# Altium PCB IoT_Greenhouse V1.0 A.PcbDoc (part 2 of 2)
Units mm, origin at the board's own origin, x right, y up, seen from the top; angles counter-clockwise.
Board outline 130 x 80 mm, 2 copper layers (Top Layer, Bottom Layer), stack 1.569 mm thick; 105 components, 59 nets, 365 pads, 73 vias.
Unrouted connection lines stored in the file: 284.
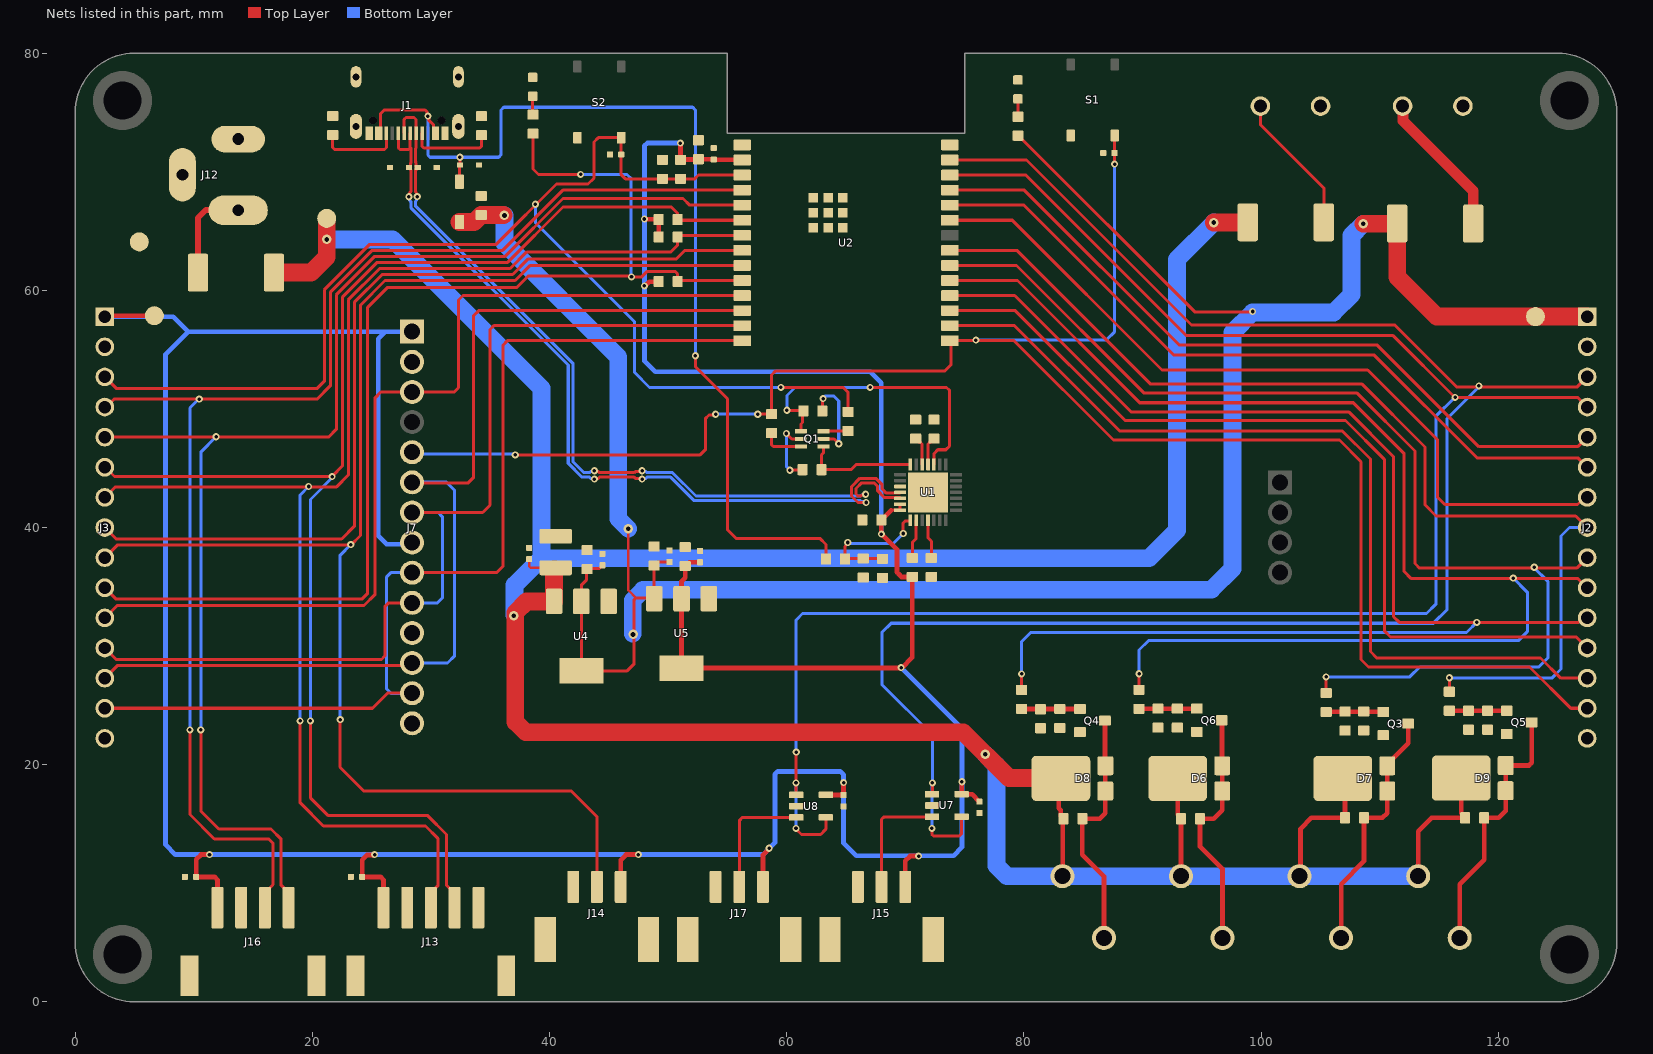
[diagram p2: the nets of this part, all layers, seen from the top]

## Part data (continued)
S1 S2: library part SWITCH_NO_SPST_0.05A, "Switch Tactile N.O. SPST Round Button Gull Wing 0.05A 12VDC 200000Cycles 2.55N SMD T/R", Manufacturer="ITT C&K", Supplier Part Number 1=CKN12221-6-ND, Category=Uncategorized, Manufacturer Part Number=PTS526SK15SMTR2LFS, Pricing 1="1=0.12, 10=0.12, 25=0.114, 100=0.1035, 250=0.09732, 500=0.08904, 1000=0.07454 (USD)", RoHS=No, Stock 1=382158, Supplier 1=Digi-Key
TP1 TP2 TP3 TP4: library part TP_PAD_SMD_Round, "Test Point, SMD pad, round, 1.5mm, 1.6mm, 3mm diameter"
U1: library part IC_BRIDGE_UART_CP2102N-A02-GQFN28R, "Full Speed USB to UART Bridge USB 2.0 3.3V T/R Automotive 28-Pin QFN EP", Case/Package=QFN, Manufacturer="Silicon Labs", Max Operating Temperature=85°C, Min Operating Temperature=-40°C, Operating Supply Current=9.5mA, Supplier Part Number 1=336-5890-1-ND, Category="USB Interface ICs", ComponentLink1Description=https://www.silabs.com/documents/public/data-sheets/cp2102n-datasheet.pdf?src-supplier=Digikey, ComponentLink1URL=https://www.silabs.com/documents/public/data-sheets/cp2102n-datasheet.pdf?src-supplier=Digikey, ComponentLink2Description=https://4donline.ihs.com/images/VipMasterIC/IC/SILC/SILC-S-A0007770867/SILC-S-A0007770867-1.pdf?hkey=6D3A4C79FDBF58556ACFDE234799DDF0&src-supplier=Farnell, ComponentLink2URL=https://4donline.ihs.com/images/VipMasterIC/IC/SILC/SILC-S-A0007770867/SILC-S-A0007770867-1.pdf?hkey=6D3A4C79FDBF58556ACFDE234799DDF0&src-supplier=Farnell, Interface=UART, Manufacturer Part Number=CP2102N-A02-GQFN28R, Packaging="Cut Tape", Pricing 1="1=4.66, 10=4.183, 25=3.954, 100=3.4269, 250=3.2512, 500=2.91728 (USD)", RoHS=Yes, Series=USBXpress™, Stock 1=29620, Supplier 1=Digikey
U2: library part IC_MODULE_ESP32-C6-WROOM-1-N4, "ESP32-C6-WROOM-1-N4 Engineering Module - 4 MB Quad SPI Flash", Manufacturer="Espressif Systems", Supplier Part Number 1=1965-ESP32-C6-WROOM-1-N4CT-ND, Category=LDO, Manufacturer Part Number=ESP32-C6-WROOM-1-N4, Pricing 1="1=2.85 (USD)", RoHS=No, Stock 1=4715, Supplier 1=Digikey
U4: library part IC_REG_LDO_5V_1A_AZ1117IH-5.0TRG1, "LDO Regulator Pos 5V 1A 3-Pin SOT-223 T/R", Case/Package=TO-261-4, Dropout Voltage=1.2V, Manufacturer=Diodes, Max Operating Temperature=125°C, Min Current Limit=1A, Min Operating Temperature=-40°C, Output Current=800mA, Output Voltage=5V, Supplier Part Number 1=AZ1117IH-5.0TRG1DIDKR-ND, Category="Voltage Regulators - Linear", ComponentLink1Description=https://www.diodes.com/assets/Datasheets/AZ1117I.pdf?src-supplier=Digi-Key, ComponentLink1URL=https://www.diodes.com/assets/Datasheets/AZ1117I.pdf?src-supplier=Digi-Key, Manufacturer Part Number=AZ1117IH-5.0TRG1, Mount="Surface Mount", Number of Regulators=1, Packaging="Tape and Reel", Pricing 1="1=0.40000, 10=0.32100, 25=0.29360, 100=0.21840, 250=0.19796, 500=0.16384, 1000=0.12288 (USD)", RoHS=Yes, RoHS Compliant=Yes, Stock 1=138078, Supplier 1=Digi-Key
U5: library part IC_REG_LDO_3.3V_1A_AP2114H-3.3TRG1, "IC REG LDO 3.3V 1A SOT223", Manufacturer=Diodes, Supplier Part Number 1=AP2114H-3.3TRG1DICT-ND, Category="Voltage Regulators - Linear", ComponentLink1Description=https://datasheet.ciiva.com/29569/ap2114-29569881.pdf?src-supplier=Digikey, ComponentLink1URL=https://datasheet.ciiva.com/29569/ap2114-29569881.pdf?src-supplier=Digikey, ComponentLink2Description=https://datasheet.ciiva.com/29569/ap2114-29569882.pdf?src-supplier=Digikey, ComponentLink2URL=https://datasheet.ciiva.com/29569/ap2114-29569882.pdf?src-supplier=Digikey, ComponentLink3Description=https://datasheet.ciiva.com/29569/ap2114-29569883.pdf?src-supplier=Digikey, ComponentLink3URL=https://datasheet.ciiva.com/29569/ap2114-29569883.pdf?src-supplier=Digikey, Manufacturer Part Number=AP2114H-3.3TRG1, Pricing 1="1=0.41, 10=0.332, 25=0.304, 100=0.2262, 250=0.20504, 500=0.16968, 1000=0.12726 (USD)", RoHS=Yes, Stock 1=34610, Supplier 1=Digikey
U7 U8: library part IC_AMP_OP_TLV2371IDBVT, "Single 550-uA/channel, 3MHz, RRIO op amp 5-SOT-23 -40 to 125", Case/Package=SOT-23, Dual Supply Voltage=5V, Input Bias Current=60pA, Input Offset Voltage (Vos)=4.5mV, Manufacturer="Texas Instruments", Max Dual Supply Voltage=8V, Max Operating Temperature=125°C, Max Supply Voltage=16V, Min Dual Supply Voltage=1.35V, Min Operating Temperature=-40°C, Min Supply Voltage=2.7V, Operating Supply Current=750uA, Output Current=16mA, Package Quantity=1, Power Dissipation=385mW, Power Supply Rejection Ratio (PSRR)=70dB, Supplier Part Number 1=296-26785-6-ND, Supply Current=900uA, Voltage Gain=110dB, Amplifier Type="GENERAL PURPOSE", Bandwidth=3MHz, Category="Amplifiers - Op Amps, Buffer, Instrumentation", Common Mode Rejection Ratio=50dB, ComponentLink1Description=https://datasheet.ciiva.com/34301/1096243-34301979.pdf?src-supplier=Jameco, ComponentLink1URL=https://datasheet.ciiva.com/34301/1096243-34301979.pdf?src-supplier=Jameco, ComponentLink2Description=https://datasheet.ciiva.com/1813/tlv2370-1813657.pdf?src-supplier=Digikey, ComponentLink2URL=https://datasheet.ciiva.com/1813/tlv2370-1813657.pdf?src-supplier=Digikey, ComponentLink3Description=https://datasheet.ciiva.com/1813/tlv2370-1813658.pdf?src-supplier=Digikey, ComponentLink3URL=https://datasheet.ciiva.com/1813/tlv2370-1813658.pdf?src-supplier=Digikey, ComponentLink4Description=https://datasheet.ciiva.com/1813/tlv2370-1813659.pdf?src-supplier=Digikey, ComponentLink4URL=https://datasheet.ciiva.com/1813/tlv2370-1813659.pdf?src-supplier=Digikey, ComponentLink5Description=https://datasheet.ciiva.com/2974/slos270d-2974406.pdf?src-supplier=Avnet, ComponentLink5URL=https://datasheet.ciiva.com/2974/slos270d-2974406.pdf?src-supplier=Avnet, ComponentLink6Description=https://datasheet.ciiva.com/2974/slos270d-2974407.pdf?src-supplier=Avnet, ComponentLink6URL=https://datasheet.ciiva.com/2974/slos270d-2974407.pdf?src-supplier=Avnet, ComponentLink7Description=https://datasheet.ciiva.com/22707/1877122-22707949.pdf?src-supplier=Element14, ComponentLink7URL=https://datasheet.ciiva.com/22707/1877122-22707949.pdf?src-supplier=Element14, ComponentLink8Description=https://datasheet.ciiva.com/46386/1877122-46386527.pdf?src-supplier=Element14, ComponentLink8URL=https://datasheet.ciiva.com/46386/1877122-46386527.pdf?src-supplier=Element14, ComponentLink9Description=https://datasheet.ciiva.com/7848/1877122-7848285.pdf?src-supplier=Element14, ComponentLink9URL=https://datasheet.ciiva.com/7848/1877122-7848285.pdf?src-supplier=Element14, Gain Bandwidth Product=3MHz, Height=1.15mm, Lead Free="Lead Free", Length=2.9mm, Manufacturer Part Number=TLV2371IDBVT, Max I/O Voltage=4.5mV, Nominal Gain Bandwidth Product=3MHz, Number of Amplifiers=1, Number of Channels=1, Number of Circuits=1, Number of Elements=1, Number of Pins=5, Operating Supply Voltage=8V, Output Current per Channel=16mA, Packaging="Tape and Reel", Pricing 1="1=1.65, 10=1.483, 25=1.3988, 100=1.1918 (USD)", Radiation Hardening=No, Reach SVHC Compliant=No, RoHS=Yes, RoHS Compliant=Yes, Series=-, Slew Rate=2.4V/µs, Stock 1=25753, Supplier 1=Digikey, Unity Gain Bandwidth Product=3MHz, Width=1.6mm

## Via types
v1: diameter 0.6, hole 0.3, Top Layer to Bottom Layer, tented both sides, 65 vias
v2: diameter 0.8, hole 0.4, Top Layer to Bottom Layer, tented both sides, 8 vias

## Nets (pads, with @x,y where several pads share a name; then routed paths per layer and width w, separated by ;. In a path a pad name is that pad's centre, name@x,y a point inside that pad or via, vN(x,y) a via of type N, cw(c..) or ccw(c..) an arc to the next point about the centre after c; other vN are vias at no path point)
3V3: C2.2 C5.2 C6.2 C23.2 C24.2 C26.2 C27.2 C28.2 C29.2 J3.1 J7.1 J7.8 J13.1 J14.1 J15.1 J16.1 J17.1 R7.2 R10.2 R13.1 R14.1 R24.2 TP3.1 U1.6 U1.7 U2.2 U5.2 U5.4 U7.5 U8.5 | length 333.9
  Top Layer w0.254: 68.802,41.459 U1.7@69.567,41.459 69.545,41.481 U1.6@69.545,41.959
  Top Layer w0.4: J3.1@2.5,57.78 2.581,57.861 TP3.1@6.68,57.861 ; v1(11.328,12.421) 10.615,12.421 10.208,12.014 C29.2@10.208,10.541 11.766,10.541 12,10.307 J16.1@12,7.95 ; v1(25.248,12.421) 25.209,12.382 24.597,12.382 24.204,11.989 C27.2@24.204,10.541 25.766,10.541 26,10.307 J13.1@26,7.95 ; J14.1@46,9.7 46,11.964 46.457,12.421 v1(47.498,12.421) ; v1(48.006,60.376) 48.06,60.376 48.409,60.725 49.175,60.725 R14.1@49.2,60.75 ; v1(48.006,66.015) 48.031,65.989 49.175,65.989 R24.2@49.2,65.964 R7.2@49.2,64.5 ; v1(51.029,72.415) 51.041,72.403 51.041,71.018 R13.1@51.054,71.006 51.079,71.031 52.527,71.031 C5.2@52.553,71.057 52.558,71.051 53.843,71.051 C6.2@53.848,71.046 53.876,71.018 56.222,71.018 U2.2@56.25,70.99 ; U5.4@51.079,28.499 51.13,28.55 U5.2@51.13,34 51.13,35.458 51.435,35.763 C24.2@51.435,36.754 ; U5.4@51.13,28.15 69.704,28.15 70.596,29.042 R10.2@70.596,35.835 69.677,35.835 69.47,36.042 69.291,36.22 69.291,38.176 67.983,39.484 C2.2@67.983,40.64 67.983,40.69 68.208,40.915 68.258,40.915 68.802,41.459 ; C24.2@51.613,36.728 51.613,36.879 51.805,37.072 C23.2@52.705,37.072 ; J17.1@58,9.7 58,12.378 58.522,12.9 v1(58.522,12.954) ; U8.5@63.302,17.46 63.309,17.454 64.789,17.454 C28.2@64.795,17.447 v1(64.795,18.491) ; J15.1@70,9.7 70,11.887 70.406,12.294 v1(71.12,12.294) ; v1(74.778,18.567) 74.768,18.557 74.768,17.521 U7.5@74.758,17.511 74.76,17.508 75.631,17.508 C26.2@76.251,16.888
  Bottom Layer w0.4: J3.1@2.5,57.78 8.26,57.78 9.53,56.51 ; J7.8@28.41,38.73 28.263,38.583 26.264,38.583 25.552,39.294 25.552,55.905 26.157,56.51 ; J7.1@28.41,56.51 26.157,56.51 ; v1(51.029,72.415) 48.24,72.415 48.006,72.181 v1(48.006,66.015) v1(48.006,60.376) 48.006,54.051 48.92,53.137 67.056,53.137 67.983,52.21 v1(67.983,39.446) ; v1(69.647,28.194) 74.778,23.063 v1(74.778,18.567) 74.778,13.03 74.066,12.319 65.862,12.319 64.795,13.386 64.795,19.152 64.516,19.431 59.239,19.431 59.004,19.197 59.004,13.411 58.534,12.941 58.014,12.421 v1(47.498,12.421) v1(25.248,12.421) v1(11.328,12.421) 8.458,12.421 7.62,13.259 7.62,54.6 9.53,56.51 ; 9.53,56.51 26.157,56.51
5V: C1.2 C19.2 C20.2 C21.2 C22.2 D1.1 D12.1 J2.1 R23.1 TP2.1 U4.2 U4.4 U5.3 | length 209.8
  Top Layer w0.2: v2(46.634,39.903) 46.634,34.722 47.295,34.061 ; J2.1@127.495,57.785 J2.1@127.5,57.78
  Top Layer w0.254: U4.4@42.621,28.092 42.683,28.154 U4.2@42.683,33.771 42.683,35.139 43.104,35.56 C19.2@43.104,36.576 ; U4.4@42.683,27.921 46.552,27.921 47.142,28.512 47.142,33.909 47.295,34.061 U5.3@48.717,34.061 ; C19.2@43.231,36.525 44.168,36.525 C20.2@44.461,36.818 ; U5.3@48.83,34 48.819,34.011 C21.2@48.819,36.802 48.819,36.805 C21.2@48.844,36.83 ; C21.2@48.844,36.652 48.844,36.774 49.167,37.097 C22.2@50.114,37.097 ; R23.1@79.502,73.038 79.552,73.038 94.398,58.191 v1@99.238,58.191
  Top Layer w1.5: D1.1@32.41,65.762 33.644,65.762 C1.2@34.239,66.358 36.106,66.358 v2@36.119,66.345 ; v2(108.61,65.608) D12.1@111.451,65.608 ; D12.1@111.476,65.634 111.476,61.117 114.808,57.785 TP2.1@123.139,57.785 J2.1@127.495,57.785
  Bottom Layer w1.5: v2(36.195,66.319) 36.195,63.983 45.796,54.381 45.796,40.742 v2(46.634,39.903) ; v2@47.015,31.039 47.015,33.869 47.894,34.747 95.809,34.747 97.587,36.525 97.587,56.439 99.289,58.141 106.121,58.141 107.62,59.639 107.62,64.618 v2(108.61,65.608)
  other v1: 99.289,58.217
  other v2: 47.041,30.988
12V: C9.2 C10.2 C11.2 C15.2 C17.2 C18.2 D6.K D7.K D8.K D9.K D10.1 D11.1 J4.1 J5.1 J6.1 J8.1 TP1.1 U4.3 | length 287.9
  Top Layer w0.2: C18.2@38.289,37.326 38.289,36.719 38.406,36.601 C17.2@40.411,36.601
  Top Layer w0.4: D8.K@82.931,18.872 82.931,16.345 83.1,16.176 83.1,15.668 C11.2@83.325,15.443 83.287,15.406 83.287,10.637 J6.1@83.25,10.6 ; D6.K@92.973,18.845 92.973,15.776 93.256,15.493 C9.2@93.256,15.443 93.253,15.44 93.253,10.603 J4.1@93.25,10.6 ; J5.1@103.25,10.6 103.327,10.677 103.327,14.605 104.242,15.519 C10.2@107.074,15.519 107.074,18.664 D7.K@106.892,18.845 ; J8.1@113.25,10.6 113.25,14.393 114.376,15.519 C15.2@117.208,15.519 117.208,15.569 116.875,15.903 D9.K@116.875,18.87
  Top Layer w1.5: D11.1@16.769,61.493 19.888,61.493 21.209,62.814 v2(21.209,64.287) TP1.1@21.209,66.065 ; C17.2@40.404,36.483 40.383,36.483 U4.3@40.383,33.771 38.064,33.771 37.109,32.817 37.109,23.612 37.988,22.733 74.879,22.733 78.74,18.872 D8.K@82.931,18.872 ; v2(96.012,65.71) 98.852,65.71 D10.1@98.878,65.735
  Bottom Layer w1.5: v2(21.209,64.287) 26.772,64.287 39.319,51.74 39.319,37.414 ; v2@37.059,32.652 37.059,35.154 39.319,37.414 ; v2(76.733,20.879) 77.69,19.922 77.69,11.479 78.569,10.6 J6.1@83.25,10.6 92.769,10.6 J4.1@92.888,10.719 ; J4.1@93.25,10.6 103.014,10.6 J5.1@103.175,10.439 ; v2(96.012,65.71) 92.913,62.611 92.913,39.776 90.551,37.414 39.319,37.414 ; J5.1@103.25,10.6 113.14,10.6 J8.1@113.233,10.693
  other v2: 36.982,32.563
AIN_1: J15.2 U7.3 | length 10
  Top Layer w0.254: J15.2@68,9.7 68,15.397 68.214,15.611 U7.3@72.258,15.611
AIN_2: J17.2 U8.3 | length 10.5
  Top Layer w0.254: J17.2@56,9.7 56,15.284 56.276,15.56 U8.3@60.802,15.56
CHIP_PU: C4.2 C8.1 J3.3 R13.2 R25.1 S2.3 U2.3 | length 110.5
  Top Layer w0.254: J3.3@2.5,52.7 3.46,51.74 20.422,51.74 21.006,52.324 21.006,60.046 24.841,63.881 35.509,63.881 40.586,68.958 43.253,68.958 43.75,69.455 43.75,72.5 44.12,72.87 S2.3@46.046,72.87 ; S2.3@46.047,72.869 46.047,71.451 46.048,69.75 46.392,69.406 C4.2@49.53,69.406 R13.2@51.054,69.406 52.25,69.406 52.564,69.72 U2.3@56.25,69.72 ; v1(59.512,51.816) 64.77,51.816 65.176,51.41 R25.1@65.176,49.746
  Bottom Layer w0.254: v1@38.837,67.2 38.837,65.684 47.168,57.353 47.168,53.086 48.438,51.816 v1(59.512,51.816)
  other v1: 38.811,67.259
DM_N: D2.2 J1.A7 J1.B7 U1.5 | length 69.3
  Top Layer w0.254: J1.A7@27.75,73.25 27.75,74.426 27.899,74.574 28.575,74.574 28.75,74.399 J1.B7@28.75,73.25 28.75,72.012 28.715,71.976 28.715,70.788 28.755,70.748 28.755,70.441 D2.2@28.838,70.358 ; v1(28.847,67.896) 28.781,67.962 28.781,68.219 28.684,68.316 28.684,70.096 28.755,70.166 28.755,70.275 D2.2@28.838,70.358 ; D2.2@28.893,70.358 D2.2@28.838,70.358 ; v1(43.79,44.787) 43.856,44.721 44.119,44.721 44.212,44.628 47.142,44.628 47.236,44.721 47.737,44.721 v1(47.803,44.787) ; v1(66.65,42.809) 66.583,42.743 66.339,42.743 66.234,42.638 66.023,42.638 65.837,42.824 65.837,43.282 66.319,43.764 67.361,43.764 67.666,43.459 67.666,43.098 68.244,42.519 69.538,42.519 69.538,42.511 69.567,42.482 U1.5@69.567,42.459
  Bottom Layer w0.254: v1(28.847,67.896) 28.781,67.83 28.781,67.569 28.687,67.475 28.687,67.127 41.961,53.853 41.961,45.573 42.906,44.628 43.367,44.628 43.46,44.721 43.723,44.721 v1(43.79,44.787) ; v1(47.803,44.787) 47.869,44.721 48.132,44.721 48.225,44.628 50.374,44.628 52.352,42.649 66.227,42.649 66.32,42.743 66.583,42.743 v1(66.65,42.809)
DM_P: D3.2 J1.A6 J1.B6 U1.4 | length 70.1
  Top Layer w0.254: J1.B6@27.25,73.25 27.25,72.031 27.399,71.882 28.101,71.882 28.25,72.031 ; v1(28.143,67.894) 28.209,67.96 28.209,68.221 28.303,68.315 28.303,70.126 28.294,70.136 28.294,70.275 D3.2@28.211,70.358 ; D3.2@28.156,70.358 D3.2@28.211,70.358 ; J1.A6@28.25,73.25 28.25,72.031 ; v1(43.79,44.087) 43.856,44.154 44.119,44.154 44.212,44.247 47.142,44.247 47.236,44.154 47.737,44.154 v1(47.803,44.087) ; v1(66.69,42.109) 66.686,42.113 66.009,42.113 65.456,42.667 65.456,43.439 66.162,44.145 67.519,44.145 68.047,43.617 68.047,43.256 68.402,42.9 69.53,42.9 69.567,42.936 U1.4@69.567,42.959 ; D3.2@28.211,70.358 28.294,70.441 28.294,70.748 28.334,70.788 28.334,71.947 28.25,72.031
  Bottom Layer w0.254: v1(28.143,67.894) 28.209,67.828 28.209,67.571 28.306,67.474 28.306,66.969 41.58,53.696 41.58,45.415 42.748,44.247 43.367,44.247 43.46,44.154 43.723,44.154 v1(43.79,44.087) ; v1(47.803,44.087) 47.869,44.154 48.132,44.154 48.225,44.247 50.216,44.247 52.194,42.268 66.227,42.268 66.32,42.175 66.38,42.175 66.624,42.175 v1(66.69,42.109)
DTR: Q1.1 R3.2 U1.28 | length 9.7
  Top Layer w0.254: Q1.1@63.109,46.823 63.109,46.294 62.941,46.126 R3.2@62.941,44.882 65.43,44.882 65.858,45.309 U1.28@70.417,45.309
G_FAN: C12.2 Q6.1 R15.2 R18.2 | length 4.9
  Top Layer w0.4: R15.2@89.713,24.714 89.719,24.72 91.307,24.72 R18.2@91.313,24.727 C12.2@92.939,24.727 C12.2@92.939,24.727 94.58,24.728 Q6.1@94.581,24.729
G_HET: C13.2 Q3.1 R16.2 R19.2 | length 4.8
  Top Layer w0.4: R16.2@105.486,24.448 105.499,24.46 107.074,24.46 R19.2@107.086,24.473 C13.2@108.661,24.473 108.673,24.461 110.292,24.461 Q3.1@110.304,24.45
G_LAMP: C16.2 Q5.1 R21.2 R22.2 | length 4.8
  Top Layer w0.4: R21.2@115.875,24.549 R22.2@117.5,24.549 ; R22.2@117.5,24.549 C16.2@119.101,24.549 C16.2@119.101,24.549 120.716,24.55 Q5.1@120.718,24.551
G_PUMP: C14.2 Q4.1 R17.2 R20.2 | length 4.9
  Top Layer w0.4: R17.2@79.807,24.702 79.82,24.689 81.394,24.689 R20.2@81.407,24.676 81.42,24.689 83.02,24.689 C14.2@83.033,24.701 C14.2@83.033,24.701 84.725,24.703 Q4.1@84.726,24.704
GND: C1.1 C2.1 C3.1 C4.1 C5.1 C6.1 C7.2 C8.2 C12.1 C13.1 C14.1 C16.1 C17.1 C18.1 C19.1 C20.1 C21.1 C22.1 C23.1 C24.1 C26.1 C27.1 C28.1 C29.1 D2.1 D3.1 D4.1 D5.1 D13.1 J1.A1_B12 J1.B1_A12 J1.SH1 J1.SH2 J1.SH3 J1.SH4 J2.2 J2.15 J3.2 J3.15 J7.2 J10.2 J11.2 J12.2 J12.3 J13.0 J13.2 J13.5 J14.3 J14.SH J15.3 J15.SH J16.0 J16.2 J17.3 J17.SH Q3.2 Q4.2 Q5.2 Q6.2 R5.1 R6.1 R8.2 R11.1 R18.1 R19.1 R20.1 R22.1 S1.1 S2.1 TP4.1 U1.3 U1.29 U2.1 U2.28 U2.29 U2.30 U2.31 U2.32 U2.33 U2.34 U2.35 U2.36 U2.37 U4.1 U5.1 U7.2 U8.2
GPIO0: J3.8 U2.8 | length 75.3
  Top Layer w0.254: J3.8@2.5,40 3.46,39.04 22.479,39.04 23.546,40.107 23.546,58.993 25.893,61.341 36.892,61.341 38.173,62.622 50.672,62.622 51.42,63.37 U2.8@56.25,63.37
GPIO1: J3.9 J14.2 U2.9 | length 123.9
  Top Layer w0.254: J3.9@2.5,37.46 3.546,38.506 23.241,38.506 24.054,39.319 24.054,58.75 26.137,60.833 37.102,60.833 38.383,62.114 52.035,62.114 52.049,62.1 U2.9@56.25,62.1 ; v1(22.352,23.8) 22.327,23.774 22.327,19.787 24.333,17.78 41.834,17.78 44,15.614 J14.2@44,9.7
  Bottom Layer w0.254: v1(22.352,23.8) 22.352,37.668 v1@23.266,38.583
  other v1: 23.241,38.557
GPIO2: J2.3 U2.27 U7.1 U7.4 | length 154.3
  Top Layer w0.254: v1(72.238,14.63) 72.238,14.144 72.386,13.995 74.549,13.995 74.758,14.204 U7.4@74.758,15.611 ; U7.1@72.258,17.511 72.288,17.542 v1(72.288,18.466) ; U2.27@73.75,70.99 80.216,70.99 94.132,57.074 111.277,57.074 116.484,51.867 126.667,51.867 J2.3@127.5,52.7
  Bottom Layer w0.254: v1(72.238,14.63) 72.263,14.656 72.263,18.44 v1(72.288,18.466) 72.288,22.504 68.021,26.772 68.021,31.14 68.809,31.928 114.529,31.928 115.697,33.096 115.697,49.2 v1@118.415,51.918
  other v1: 118.364,51.943
GPIO3: J2.4 U2.26 U8.1 U8.4 | length 157.1
  Top Layer w0.254: v1@60.757,14.605 61.239,14.122 62.865,14.122 63.302,14.56 U8.4@63.302,15.56 ; v1@60.757,21.158 60.782,21.133 v1(60.782,18.466) 60.782,17.48 U8.1@60.802,17.46 ; U2.26@73.75,69.72 80.165,69.72 93.675,56.21 111.1,56.21 116.353,50.957 126.703,50.957 J2.4@127.5,50.16
  Bottom Layer w0.254: v1(60.782,14.63) v1(60.782,18.466) v1@60.782,18.542 ; v1(60.802,21.057) 60.802,32.202 61.341,32.741 113.944,32.741 114.732,33.528 114.732,49.378 v1@116.307,50.952
  other v1: 116.357,50.978
GPIO4: J3.4 J16.3 U2.4 | length 115.1
  Top Layer w0.254: J3.4@2.5,50.16 2.611,50.16 3.277,50.825 20.396,50.825 21.514,51.943 21.514,59.835 25.052,63.373 36.05,63.373 41.127,68.45 U2.4@56.25,68.45 ; v1(9.677,22.936) 9.677,15.799 11.735,13.741 16.332,13.741 16.688,13.386 16.688,9.888 16,9.2 J16.3@16,7.95
  Bottom Layer w0.254: v1(9.677,22.936) 9.677,50.089 v1@10.465,50.876
  other v1: 10.465,50.825
GPIO5: J3.5 J16.4 U2.5 | length 114.9
  Top Layer w0.254: J3.5@2.5,47.62 21.356,47.62 22.022,48.285 22.022,59.625 25.262,62.865 36.261,62.865 41.137,67.742 51.258,67.742 51.82,67.18 U2.5@56.25,67.18 ; v1(10.592,22.936) 10.592,16.104 12.116,14.58 16.51,14.58 17.374,13.716 17.374,9.826 18,9.2 J16.4@18,7.95
  Bottom Layer w0.254: v1(10.592,22.936) 10.592,46.355 11.862,47.625 v1@11.862,47.676
  other v1: 11.887,47.65
GPIO6: J3.6 J13.4 R24.1 U2.6 | length 119.5
  Top Layer w0.254: J3.6@2.5,45.08 2.53,45.08 3.312,44.298 v1(21.666,44.298) ; v1(19.837,23.698) 19.863,23.673 19.863,17.178 21.343,15.697 29.743,15.697 31.318,14.122 31.318,9.83 31.575,9.573 31.627,9.573 32,9.2 J13.4@32,7.95 ; v1@21.717,44.374 22.53,45.187 22.53,59.414 25.472,62.357 36.471,62.357 41.145,67.031 50.269,67.031 50.8,66.5 R24.1@50.8,65.964 50.854,65.91 U2.6@56.25,65.91
  Bottom Layer w0.254: v1(19.837,23.698) 19.837,42.367 v1@21.641,44.171
GPIO7: J3.7 J13.3 R7.1 U2.7 | length 117.9
  Top Layer w0.254: J3.7@2.5,42.54 3.394,43.434 22.047,43.434 23.038,44.425 23.038,59.204 25.683,61.849 36.681,61.849 38.082,63.25 50.25,63.25 50.793,63.793 50.793,64.493 50.94,64.64 U2.7@56.25,64.64 ; v1(18.974,23.698) 18.974,16.782 20.922,14.834 29.54,14.834 30.582,13.792 30.582,9.782 30,9.2 J13.3@30,7.95
  Bottom Layer w0.254: v1(18.974,23.698) 18.974,42.748 v1(19.685,43.459)
GPIO8: J3.10 R12.1 R14.2 U2.10 | length 100.4
  Top Layer w0.254: J3.10@2.5,34.92 3.46,33.96 24.174,33.96 24.663,34.45 24.663,58.572 26.314,60.223 37.211,60.223 38.176,61.189 v1@46.875,61.189 ; R12.1@38.608,73.216 38.608,70.231 39.065,69.774 v1(42.621,69.774) ; v1(46.914,61.138) 47.781,61.138 48.249,61.606 50.589,61.606 50.8,61.395 R14.2@50.8,60.75 50.88,60.83 U2.10@56.25,60.83
  Bottom Layer w0.254: v1(42.621,69.774) 46.533,69.774 46.888,69.418 v1@46.888,61.138
GPIO9: C7.1 J2.14 J7.5 R26.1 S1.3 U2.15 | length 159.3
  Top Layer w0.254: v1(37.109,46.126) 52.705,46.126 53.137,46.558 53.137,49.174 53.452,49.489 53.934,49.489 v1(54,49.555) ; v1(57.556,49.555) 57.563,49.562 58.718,49.562 R26.1@58.725,49.568 58.725,52.857 59.08,53.213 73.355,53.213 73.838,53.696 73.838,55.662 U2.15@73.75,55.75 79.175,55.75 87.554,47.371 106.604,47.371 108.433,45.542 108.433,28.873 109.06,28.245 122.631,28.245 126.116,24.76 J2.14@127.5,24.76 ; v1(87.655,70.637) 87.654,70.639 87.654,71.576 C7.1@87.653,71.577 C7.1@87.653,71.577 87.654,73.049 S1.3@87.655,73.05
  Bottom Layer w0.254: J7.5@28.41,46.35 28.567,46.193 37.043,46.193 v1(37.109,46.126) ; v1(54,49.555) v1(57.556,49.555) v1@57.653,49.555 ; v1(75.946,55.804) 86.944,55.804 87.655,56.515 v1(87.655,70.637) v1@87.655,70.737
GPIO10: J3.11 J7.3 U2.11 | length 79.1
  Top Layer w0.254: J3.11@2.5,32.38 3.546,33.426 24.359,33.426 25.298,34.366 25.298,50.952 25.776,51.43 J7.3@28.41,51.43 31.974,51.43 32.334,51.791 32.334,59.182 32.712,59.56 U2.11@56.25,59.56
GPIO11: J3.13 J7.6 J7.12 U2.12 | length 89.8
  Top Layer w0.254: J3.13@2.5,27.3 3.546,28.346 28.186,28.346 J7.12@28.41,28.57 ; J7.6@28.41,43.81 28.456,43.764 33.147,43.764 33.579,44.196 33.579,57.836 34.033,58.29 U2.12@56.25,58.29
  Bottom Layer w0.254: J7.12@28.41,28.57 31.389,28.57 32.004,29.185 32.004,43.129 31.293,43.84 J7.6@28.55,43.84
GPIO12: J3.12 J7.7 J7.10 U2.13 | length 86
  Top Layer w0.254: J3.12@2.5,29.84 3.46,28.88 25.832,28.88 26.111,29.159 26.111,33.325 26.436,33.65 J7.10@28.41,33.65 ; J7.7@28.41,41.27 34.361,41.27 34.976,41.885 34.976,56.693 35.303,57.02 U2.13@56.25,57.02
  Bottom Layer w0.254: J7.10@28.41,33.65 30.551,33.65 30.963,34.061 30.963,40.919 30.607,41.275 J7.7@28.473,41.275
GPIO13: J3.14 J7.9 J7.13 U2.14 | length 87.4
  Top Layer w0.254: J3.14@2.5,24.76 25.065,24.76 26.335,26.03 J7.13@28.41,26.03 ; J7.9@28.41,36.19 35.53,36.19 36.093,36.754 36.093,55.397 36.446,55.75 U2.14@56.25,55.75
  Bottom Layer w0.254: J7.9@28.41,36.19 26.614,36.19 26.264,35.839 26.264,26.391 26.67,25.984 J7.13@28.499,25.984
GPIO15: J2.7 J7.14 U2.23 | length 66.8
  Top Layer w0.254: U2.23@73.75,65.91 79.022,65.91 91.643,53.289 108.991,53.289 114.859,47.422 114.859,42.57 115.494,41.935 126.691,41.935 127.295,42.54 J2.7@127.5,42.54
GPIO18: J2.13 J7.11 U2.16 | length 75.6
  Top Layer w0.254: U2.16@73.75,57.02 79.2,57.02 88.062,48.158 106.832,48.158 109.22,45.771 109.22,29.54 109.753,29.007 123.571,29.007 125.278,27.3 J2.13@127.5,27.3
GPIO19: J2.12 U2.17 | length 74
  Top Layer w0.254: U2.17@73.75,58.29 79.276,58.29 88.544,49.022 107.112,49.022 110.388,45.745 110.388,31.293 110.922,30.759 126.581,30.759 J2.12@127.5,29.84
GPIO20: J2.11 R17.1 U2.18 | length 116.5
  Top Layer w0.254: U2.18@73.75,59.56 79.226,59.56 89.027,49.759 107.391,49.759 111.176,45.974 111.176,32.487 111.658,32.004 126.767,32.004 127.143,32.38 J2.11@127.5,32.38 ; v1@79.781,27.711 79.807,27.686 v1(79.807,27.661) R17.1@79.807,26.302
  Bottom Layer w0.254: v1(79.807,27.661) 79.807,30.378 80.569,31.14 117.323,31.14 v1@118.237,32.055
  other v1: 118.186,32.004
GPIO21: J2.10 R15.1 U2.19 | length 112.1
  Top Layer w0.254: U2.19@73.75,60.83 79.454,60.83 89.764,50.521 107.772,50.521 112.065,46.228 112.065,36.297 112.674,35.687 126.733,35.687 J2.10@127.5,34.92 ; R15.1@89.713,26.314 v1(89.713,27.673) v1@89.713,27.699
  Bottom Layer w0.254: v1(89.713,27.673) 89.713,29.667 90.5,30.455 121.691,30.455 122.453,31.217 122.453,34.544 v1@121.234,35.763
  other v1: 121.26,35.738
GPIO22: J2.9 R16.1 U2.20 | length 99.2
  Top Layer w0.254: U2.20@73.75,62.1 79.378,62.1 90.145,51.333 108.102,51.333 112.979,46.457 112.979,36.957 113.36,36.576 126.616,36.576 J2.9@127.5,37.46 ; R16.1@105.486,26.048 v1(105.486,27.407) v1@105.486,27.432
  Bottom Layer w0.254: v1(105.486,27.407) 112.547,27.407 113.386,28.245 123.419,28.245 124.181,29.007 124.181,35.458 v1@122.961,36.678
  other v1: 123.038,36.652
GPIO23: J2.8 R21.1 U2.21 | length 90.9
  Top Layer w0.254: U2.21@73.75,63.37 79.403,63.37 90.653,52.121 108.483,52.121 113.817,46.787 113.817,41.91 114.757,40.97 126.53,40.97 J2.8@127.5,40 ; R21.1@115.875,26.149 v1(115.875,27.33)
  Bottom Layer w0.254: v1(115.875,27.33) 124.562,27.33 125.298,28.067 125.298,39.294 126.004,40 J2.8@127.5,40
NetC3_2: C3.2 R9.2 R11.2 U1.8 | length 11.4
  Top Layer w0.254: v1(65.151,38.735) 65.151,38.641 64.919,38.409 R9.2@64.919,37.346 64.957,37.384 R11.2@66.456,37.384 66.468,37.371 68.069,37.371 C3.2@68.081,37.359 ; v1(69.825,39.497) 69.825,40.386 69.973,40.535 70.394,40.535 70.417,40.558 U1.8@70.417,40.609
  Bottom Layer w0.254: v1(65.151,38.735) 65.217,38.669 65.462,38.669 65.472,38.659 68.986,38.659 v1(69.825,39.497) v1@69.85,39.522
NetC9_1: C9.1 D6.A J4.2 Q6.3 | length 20.6
  Top Layer w0.4: Q6.3@96.681,23.749 96.702,23.728 96.702,19.931 D6.A@96.723,19.91 D6.A@96.723,17.78 96.723,16.154 96.012,15.443 C9.1@94.856,15.443 94.856,13.094 96.75,11.2 J4.2@96.75,5.4
NetC10_1: C10.1 D7.A J5.2 Q3.3 | length 21.3
  Top Layer w0.4: J5.2@106.75,5.4 106.75,9.925 108.674,11.849 C10.1@108.674,15.519 110.236,15.519 110.642,15.926 D7.A@110.642,17.78 D7.A@110.642,19.91 110.642,20.04 112.404,21.801 Q3.3@112.404,23.47
NetC11_1: C11.1 D8.A J6.2 Q4.3 | length 20.8
  Top Layer w0.4: J6.2@86.75,5.4 86.75,10.583 84.925,12.408 C11.1@84.925,15.443 86.411,15.443 86.868,15.9 D8.A@86.868,17.78 D8.A@86.868,19.91 86.847,19.931 86.847,23.703 Q4.3@86.826,23.724
NetC15_1: C15.1 D9.A J8.2 Q5.3 | length 22.6
  Top Layer w0.4: J8.2@116.75,5.4 116.75,9.918 118.808,11.976 C15.1@118.808,15.519 120.04,15.519 120.625,16.104 D9.A@120.625,17.805 D9.A@120.625,19.935 122.583,19.935 122.818,20.17 Q5.3@122.818,23.571
NetD5_2: D5.2 R12.2 | length 1.5
  Top Layer w0.254: D5.2@38.583,76.352 38.583,74.841 R12.2@38.608,74.816
NetD10_2: D10.2 J10.1 | length 12
  Top Layer w0.254: J10.1@99.937,75.534 99.937,73.977 105.288,68.626 D10.2@105.288,65.735
NetD11_2: D11.2 J12.1 | length 8.3
  Top Layer w0.5: D11.2@10.359,61.493 10.359,66.112 11.024,66.777 13.723,66.777 J12.1@13.75,66.75
NetD12_2: D12.2 J11.1 | length 12.4
  Top Layer w0.9: J11.1@111.937,75.534 111.969,75.503 111.969,74.29 117.886,68.372 D12.2@117.886,65.634
NetD13_2: D13.2 R23.2 | length 1.5
  Top Layer w0.254: R23.2@79.502,74.638 D13.2@79.502,76.137
NetJ1_A5: J1.A5 R6.2 | length 7.2
  Top Layer w0.254: J1.A5@29.25,73.25 29.25,72.143 29.399,71.994 34.116,71.994 34.265,72.143 R6.2@34.265,73.089
NetJ1_B5: J1.B5 R5.2 | length 6.9
  Top Layer w0.254: R5.2@21.717,73.089 21.692,73.063 21.692,72.06 21.869,71.882 26.086,71.882 26.25,72.046 J1.B5@26.25,73.25
NetQ1_2: Q1.2 R4.1 | length 7.7
  Top Layer w0.254: R4.1@63.005,49.835 63.036,49.867 63.036,50.844 v1(63.068,50.876) ; Q1.2@63.109,47.473 64,47.473 64.389,47.083 v1(64.389,47.066)
  Bottom Layer w0.254: v1@63.094,50.927 63.246,51.079 63.983,51.079 64.389,50.673 v1(64.389,47.066)
NetQ1_3: Q1.3 R25.2 | length 2.1
  Top Layer w0.254: Q1.3@63.109,48.123 63.12,48.134 65.165,48.134 R25.2@65.176,48.146
NetQ1_5: Q1.5 R3.1 | length 5.6
  Top Layer w0.254: v1@60.071,47.828 60.427,47.473 Q1.5@61.199,47.473 ; v1(60.274,44.831) 61.29,44.831 R3.1@61.341,44.882
  Bottom Layer w0.254: v1(59.969,47.93) 59.969,45.161 v1@60.325,44.806
NetQ1_6: Q1.6 R26.2 | length 3.5
  Top Layer w0.254: R26.2@58.725,47.968 58.725,46.971 58.874,46.823 Q1.6@61.199,46.823
NetR1_2: R1.2 U1.26 | length 2.5
  Top Layer w0.254: R1.2@70.875,47.493 71.173,47.195 71.268,47.195 71.417,47.047 U1.26@71.417,45.309
NetR2_2: R2.2 U1.25 | length 2.4
  Top Layer w0.254: U1.25@71.917,45.309 71.917,47.047 72.066,47.195 72.127,47.195 R2.2@72.425,47.493
NetR8_1: R8.1 U1.11 | length 3.3
  Top Layer w0.254: U1.11@71.917,40.609 71.917,39.132 72.212,38.837 72.212,37.451 R8.1@72.196,37.435
NetR10_1: R10.1 U1.9 | length 3.3
  Top Layer w0.254: R10.1@70.596,37.435 70.596,38.744 70.917,39.065 U1.9@70.917,40.609
RTS: Q1.4 R4.2 U1.24 | length 25.7
  Top Layer w0.254: v1(60.02,49.886) 61.354,49.886 R4.2@61.405,49.835 61.341,49.771 61.341,48.87 61.199,48.727 Q1.4@61.199,48.123 ; v1(67.031,51.816) 73.482,51.816 73.722,51.577 73.722,46.863 73.417,46.558 72.746,46.558 72.417,46.229 U1.24@72.417,45.309
  Bottom Layer w0.254: v1(60.02,49.886) 60.02,51.13 60.706,51.816 v1(67.031,51.816)
UART_RXD: J2.6 R1.1 U2.24 | length 62.9
  Top Layer w0.254: U2.24@73.75,67.18 80.013,67.18 92.659,54.534 109.55,54.534 118.207,45.877 126.703,45.877 J2.6@127.5,45.08
UART_TXD: J2.5 R2.1 U2.25 | length 63
  Top Layer w0.254: U2.25@73.75,68.45 80.038,68.45 93.116,55.372 109.804,55.372 118.364,46.812 126.692,46.812 J2.5@127.5,47.62
VBUS: D1.2 D4.2 J1.A4_B9 J1.B4_A9 R9.1 | length 86.6
  Top Layer w0.254: J1.B4_A9@25.6,73.25 25.762,73.412 25.762,74.911 26.06,75.209 29.518,75.209 29.684,75.044 29.684,74.755 29.816,74.622 29.816,74.349 30.227,73.938 30.227,73.423 J1.A4_B9@30.4,73.25 ; D1.2@32.41,69.162 32.43,69.181 32.43,70.568 32.455,70.593 32.449,70.599 v1(32.449,71.222) ; v1(52.299,54.483) 52.299,53.569 55.016,50.851 55.016,39.802 55.728,39.091 62.789,39.091 63.319,38.56 R9.1@63.319,37.346
  Bottom Layer w0.254: v1(29.75,74.689) 29.75,71.393 29.921,71.222 35.712,71.222 35.916,71.425 35.916,75.209 36.144,75.438 52.07,75.438 52.299,75.209 v1(52.299,54.483)
pads on no net: H1.1 H2.1 H3.1 H4.1 J1. J1.A8 J1.B8 J7.4 J9.1 J9.2 J9.3 J9.4 S1.2 S1.4 S2.2 S2.4 U1.1 U1.2 U1.10 U1.12 U1.13 U1.14 U1.15 U1.16 U1.17 U1.18 U1.19 U1.20 U1.21 U1.22 U1.23 U1.27 U2.22

## Polygon pours and split planes (outlines as drawn)
12V on Top Layer "12V_L01_P003" (solid, remove dead copper, pour order 3): 13.792,63.983 13.792,58.623 14.173,58.242 20.117,58.242 20.549,58.674 20.549,60.325 24.028,63.805 24.028,70.739 23.774,70.993 19.228,70.993 18.948,70.714 18.948,65.176 17.958,64.186 13.995,64.186
NetD11_2 on Top Layer "NETD11_2_L01_P002" (solid, remove dead copper, pour order 2): 18.491,65.354 17.831,64.694 13.843,64.694 13.259,64.11 13.259,58.674 12.802,58.217 8.814,58.217 8.331,58.699 8.331,70.612 8.788,71.069 18.288,71.069 18.491,70.866
VBUS on Top Layer "VBUS_L01_P001" (solid, remove dead copper, pour order 1): 31.445,68.453 31.699,68.199 33.096,68.199 33.35,68.453 33.35,71.374 33.122,71.603 31.572,71.603 31.445,71.476
VBUS on Top Layer "VBUS_L01_P000" (solid, remove dead copper, pour order 0): 25.273,75.844 25.273,72.492 25.4,72.365 25.908,72.365 26.01,72.466 26.01,74.524 26.391,74.905 29.185,74.905 29.464,74.625 29.464,74.32 29.718,74.066 29.87,74.066 30.074,73.863 30.074,72.466 30.175,72.365 30.683,72.365 30.785,72.466 30.785,76.149 30.607,76.327 25.4,76.327 25.273,76.2

## Silkscreen, mask and mechanical layers (free items; w line width, h text height)
Top Overlay:
  text "IOT GreenHouse" at 199.853,84.383 h1.2
  text "V1.0 Rev A" at 202.215,81.945 h1.2
  text "12V" at 20.12,76.883 h1 r90
  text "EN" at 48.8,75.2 h1 r90
  text "BOOT" at 90.224,74.317 h1 r90
  text "5V" at 110.969,69.821 h1
  text "12V" at 98.676,69.796 h1
  text "GND" at 115.668,69.796 h1
  text "GND" at 103.654,69.771 h1
  text "GND" at 4.086,61.49 h1
  text "12V" at 23.06,61.135 h1
  text "3V3" at 222.247,58.468 h1
  text "IO2_ADC1_2" at 232.323,52.438 h1
  text "IO3" at 232.297,49.782 h1
  text "IO0_ADC1_0" at 232.221,47.409 h1
  text "IO1_ADC1_1" at 232.297,44.793 h1
  text "IO10" at 232.323,42.34 h1
  text "IO4_SCK" at 232.323,39.84 h1
  text "IO5_MISO" at 232.348,37.376 h1
  text "IO6_MOSI" at 232.348,34.709 h1
  text "IO7_SS" at 232.45,31.991 h1
  text "5V" at 232.551,29.488 h1
  text "3V3" at 125.778,20.52 h1
  text "TX" at 208.661,18.373 h1
  text "RX" at 208.763,15.731 h1
  text "5V" at 5.7,14.7 h1
  text "V+" at 82.217,13.23 h1
  text "PUMP" at 84.96,13.23 h1
  text "FAN" at 95.475,13.205 h1
  text "V+" at 102.384,13.179 h1
  text "LAMP" at 115.135,13.179 h1
  text "V+" at 92.453,13.154 h1
  text "HEAT" at 105.026,13.154 h1
  text "V+" at 112.493,13.154 h1
  text "IO19" at 207.188,13.166 h1
  text "TEMP-HU" at 40.51,12.316 h1
  text "SOIL" at 65.935,11.757 h1
  text "PH" at 55.089,11.63 h1
  text "3V3" at 70.736,11.351 h1
  text "IO18" at 207.214,10.702 h1
  text "CO2" at 13.611,10.589 h1
  text "BRIG" at 28.343,10.462 h1
  text "I09_SCL" at 204.14,8.278 h1
  text "I08_SDA" at 204.013,5.763 h1
  text "GND" at 207.95,3.108 h1
  text "GND" at 207.976,0.593 h1
  text "GND" at 207.925,-2.074 h1
Board:
  lines w0.2: 0,5 ccw(c5,5) 5,0 125,0 ccw(c125,5) 130,5 130,75 ccw(c125,75) 125,80 76,80 75,80 75,73.25 55,73.25 55,80 54,80 5,80 ccw(c5,75) 0,75 0,59 0,21 0,5

## Dimensions
0,5 to 130,0 on Drill Drawing
-1,0 to -1,80 on Drill Drawing